# Altium PCB KVision_PCB_V1I1.PcbDoc (part 1 of 2) (continued)
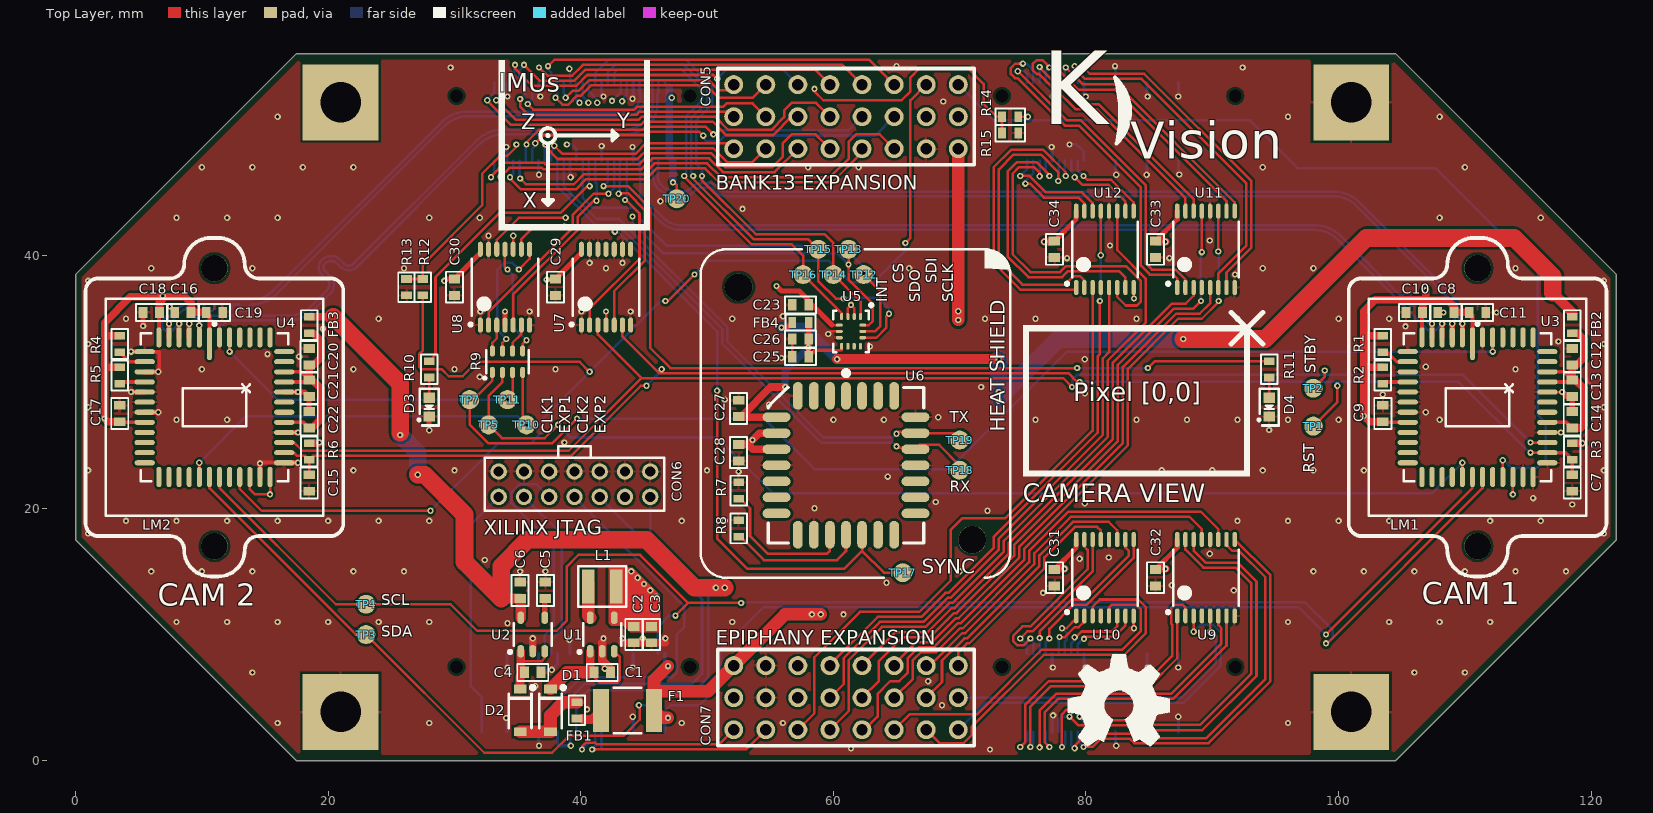
[diagram p0: Top Layer view]
## Footprints (in the part's own frame and the unit in brackets; to place one, negate y for a bottom-side part, rotate by r counter-clockwise, add the part's x,y. Pads: shape width x height; smd on the part's side, far side on the other; paste and mask are expansions set on the pad)
8X3HEADER_2.54MM [mm]
  round 1.5 hole 0.9 paste-1: 1(-8.89,2.54) 2(-8.89,0) 3(-8.89,-2.54) 4(-6.35,2.54) 5(-6.35,0) 6(-6.35,-2.54) 7(-3.81,2.54) 8(-3.81,0) 9(-3.81,-2.54) 10(-1.27,2.54) 11(-1.27,0) 12(-1.27,-2.54) 13(1.27,2.54) 14(1.27,0) 15(1.27,-2.54) 16(3.81,2.54) 17(3.81,0) 18(3.81,-2.54) 19(6.35,2.54) 20(6.35,0) 21(6.35,-2.54) 22(8.89,2.54) 23(8.89,0) 24(8.89,-2.54)
  silkscreen extent -10.16,-3.81 10.16,3.81
BTH-030-01-X-D-A-K [mm]
  rrect100% 0.3x1.448 smd mask+0.05: 1(-7.25,3.09) 2(-7.25,-3.09) 3(-6.75,3.09) 4(-6.75,-3.09) 5(-6.25,3.09) 6(-6.25,-3.09) 7(-5.75,3.09) 8(-5.75,-3.09) 9(-5.25,3.09) 10(-5.25,-3.09) 11(-4.75,3.09) 12(-4.75,-3.09) 13(-4.25,3.09) 14(-4.25,-3.09) 15(-3.75,3.09) 16(-3.75,-3.09) 17(-3.25,3.09) 18(-3.25,-3.09) 19(-2.75,3.09) 20(-2.75,-3.09) 21(-2.25,3.09) 22(-2.25,-3.09) 23(-1.75,3.09) 24(-1.75,-3.09) 25(-1.25,3.09) 26(-1.25,-3.09) 27(-0.75,3.09) 28(-0.75,-3.09) 29(-0.25,3.09) 30(-0.25,-3.09) 31(0.25,3.09) 32(0.25,-3.09) 33(0.75,3.09) 34(0.75,-3.09) 35(1.25,3.09) 36(1.25,-3.09) 37(1.75,3.09) 38(1.75,-3.09) 39(2.25,3.09) 40(2.25,-3.09) 41(2.75,3.09) 42(2.75,-3.09) 43(3.25,3.09) 44(3.25,-3.09) 45(3.75,3.09) 46(3.75,-3.09) 47(4.25,3.09) 48(4.25,-3.09) 49(4.75,3.09) 50(4.75,-3.09) 51(5.25,3.09) 52(5.25,-3.09) 53(5.75,3.09) 54(5.75,-3.09) 55(6.25,3.09) 56(6.25,-3.09) 57(6.75,3.09) 58(6.75,-3.09) 59(7.25,3.09) 60(7.25,-3.09)
  round 0 hole 1.016 unplated mask+0.55: 61(-9.236,2.036) 62(9.236,2.036)
  silkscreen extent -10.1,-3.1 10.1,3.1, body extent -10,-3.59 10,3.59, height 4.26
C0603L [mm]
  rect 0.7x0.9 smd: 1(-0.65,0) 2(0.65,0)
  silkscreen extent -1.22,-0.67 1.22,0.67, body extent -0.8,-0.4 0.8,0.4, height 0.78
CAC-80P319X159-8L [mm] "Chip Array, Concave, 8-Leads, Pitch 0,80mm,  Body 3,20x1,60mm,  IPC High Density"
  oval 0.9x0.4 smd: 1(-0.85,1.2) 2(-0.85,0.4) 3(-0.85,-0.4) 4(-0.85,-1.2) 5(0.85,-1.2) 6(0.85,-0.4) 7(0.85,0.4) 8(0.85,1.2)
  silkscreen extent -1.4,-1.7 0.9,1.9, body extent -0.82,-1.6 0.82,1.6, height 0.64
"CMT821 LENS HOLDER" [mm]
  round 2.1 hole 2.1: 1(0,11) 2(0,-11)
  silkscreen extent -10.2,-13.4 10.2,13.4, body extent -10,-13.3 10,13.3, height 11.21
FUSE_1812 [mm]
  rect 1.3x3.4 smd: 1(-2.1,0) 2(2.1,0)
  silkscreen extent -1.1,-1.8 1.1,1.8, body extent -2.36,-1.74 2.37,1.74, height 1.03
L_SRN3015 [mm] "Inductor SRN3015"
  rect 1x2.7 smd mask+0.05: 1(-1.1,0) 2(1.1,0)
  silkscreen extent -1.9,-1.6 1.9,1.6, body extent -1.51,-1.36 1.51,1.36, height 1.49
LCC-48N_MT9V03X [mm] "LCC, 48-Pins, Body 11,43x11,43mmx2,50mm, Pitch 0,80mm, IPC Medium Density"
  oval 0.4x2.6 smd: 1(-0.4,5.025)
  oval 0.4x1.6 smd: 2(-1.2,5.525) 3(-2,5.525) 4(-2.8,5.525) 5(-3.6,5.525) 6(-4.4,5.525) 19(-4.4,-5.525) 20(-3.6,-5.525) 21(-2.8,-5.525) 22(-2,-5.525) 23(-1.2,-5.525) 24(-0.4,-5.525) 25(0.4,-5.525) 26(1.2,-5.525) 27(2,-5.525) 28(2.8,-5.525) 29(3.6,-5.525) 30(4.4,-5.525) 43(4.4,5.525) 44(3.6,5.525) 45(2.8,5.525) 46(2,5.525) 47(1.2,5.525) 48(0.4,5.525)
  oval 1.6x0.4 smd: 7(-5.525,4.4) 8(-5.525,3.6) 9(-5.525,2.8) 10(-5.525,2) 11(-5.525,1.2) 12(-5.525,0.4) 13(-5.525,-0.4) 14(-5.525,-1.2) 15(-5.525,-2) 16(-5.525,-2.8) 17(-5.525,-3.6) 18(-5.525,-4.4) 31(5.525,-4.4) 32(5.525,-3.6) 33(5.525,-2.8) 34(5.525,-2) 35(5.525,-1.2) 36(5.525,-0.4) 37(5.525,0.4) 38(5.525,1.2) 39(5.525,2) 40(5.525,2.8) 41(5.525,3.6) 42(5.525,4.4)
  silkscreen extent -5.85,-5.85 5.85,6.72, body extent -5.7,-5.72 5.73,5.71, height 1.75
LED0603_GREEN [mm]
  rect 0.8x0.9 smd: 1(-0.75,0) 2(0.75,0)
  silkscreen extent -1.45,-0.75 1.45,0.87, body extent -0.85,-0.45 0.85,0.45, height 0.9
LGA14-N [mm] "3x2.5mm"
  oval 0.55x0.25 smd mask+0.075: 1(-1.175,0.75) 2(-1.175,0.25) 3(-1.175,-0.25) 4(-1.175,-0.75) 8(1.175,-0.75) 9(1.175,-0.25) 10(1.175,0.25) 11(1.175,0.75)
  oval 0.25x0.55 smd mask+0.075: 5(-0.5,-0.925) 6(0,-0.925) 7(0.5,-0.925) 12(0.5,0.925) 13(0,0.925) 14(-0.5,0.925)
  silkscreen extent -2.2,-1.4 1.65,1.73, body extent -1.5,-1.25 1.5,1.25, height 0.86
MTi-1 [mm] "xsens sensor"
  oval 0.76x2.2 smd: 1(0,5.5) 2(-1.27,5.5) 3(-2.54,5.5) 4(-3.81,5.5) 12(-3.81,-5.5) 13(-2.54,-5.5) 14(-1.27,-5.5) 15(0,-5.5) 16(1.27,-5.5) 17(2.54,-5.5) 18(3.81,-5.5) 26(3.81,5.5) 27(2.54,5.5) 28(1.27,5.5)
  oval 2.2x0.76 smd: 5(-5.5,3.81) 6(-5.5,2.54) 7(-5.5,1.27) 8(-5.5,0) 9(-5.5,-1.27) 10(-5.5,-2.54) 11(-5.5,-3.81) 19(5.5,-3.81) 20(5.5,-2.54) 21(5.5,-1.27) 22(5.5,0) 23(5.5,1.27) 24(5.5,2.54) 25(5.5,3.81)
  silkscreen extent -6.15,-6.15 6.15,7.5, body extent -6.05,-6.04 6.05,6.06, height 2.59
R0603L [mm] "Chip Resistor, 2-Leads, Body 1,60x0,82mm, IPC High Density"
  rect 0.6x0.85 smd: 1(-0.65,0) 2(0.65,0)
  silkscreen extent -1.17,-0.65 1.17,0.65, body extent -0.8,-0.4 0.8,0.4, height 0.44
SOD123_DIODE [mm]
  rect 0.7x1 smd: 1(-1.7,0) 2(1.7,0)
  silkscreen extent -1.95,-0.9 1.4,1.15, body extent -1.85,-0.8 1.85,0.8, height 1.27
SOT23-5N [mm] "SOT23, 5-Leads, Body 2,90x2,80mm, Pitch 0,95mm, IPC Medium Density"
  oval 1x0.55 smd: 1(-1.325,0.95) 2(-1.325,0) 3(-1.325,-0.95) 4(1.325,-0.95) 5(1.325,0.95)
  silkscreen extent -1.5,-1.5 0.87,1.92, body extent -1.4,-1.45 1.4,1.45, height 1.45
TestPoint_1.5mm [mm]
  round 1.5 smd paste-2: 1(0,0)
TSSOP14N [mm] "TSOP, 14-Leads, Body 5,00x4,40mm, Pitch 0,65mm, IPC Medium Density"
  oval 1.2x0.4 smd mask+0.07: 1(-3,1.95) 2(-3,1.3) 3(-3,0.65) 4(-3,0) 5(-3,-0.65) 6(-3,-1.3) 7(-3,-1.95) 8(3,-1.95) 9(3,-1.3) 10(3,-0.65) 11(3,0) 12(3,0.65) 13(3,1.3) 14(3,1.95)
  silkscreen extent -3.07,-2.63 2.25,2.85, body extent -3.25,-2.55 3.25,2.55, height 1.2
TSSOP16N [mm] "TSSOP, 16-Leads, Body 4,90x3,90mm, Pitch 0,65mm, IPC Medium Density"
  oval 1.2x0.35 smd mask+0.08: 1(-3.025,2.275) 2(-3.025,1.625) 3(-3.025,0.975) 4(-3.025,0.325) 5(-3.025,-0.325) 6(-3.025,-0.975) 7(-3.025,-1.625) 8(-3.025,-2.275) 9(3.025,-2.275) 10(3.025,-1.625) 11(3.025,-0.975) 12(3.025,-0.325) 13(3.025,0.325) 14(3.025,0.975) 15(3.025,1.625) 16(3.025,2.275)
  silkscreen extent -2.85,-2.6 2.2,3.12, body extent -3.2,-2.5 3.2,2.5, height 1.1
"XILINX JTAG HEADER" [mm] "2x7 2.00mm pitch header"
  round 1.3 hole 0.8: 1(-6,1) 2(-6,-1) 3(-4,1) 4(-4,-1) 5(-2,1) 6(-2,-1) 7(0,1) 8(0,-1) 9(2,1) 10(2,-1) 11(4,1) 12(4,-1) 13(6,1) 14(6,-1)
  silkscreen extent -7.1,-2.1 7.1,3

## Part data
C1 C2 C3 C4 C6 C8 C12 C16 C20 C26: library part GRM188R61C106MA73D, "CAP CER 10UF 16V 20% X5R 0603"
C5: library part C1608C0G1E103J080AA, "CAP CER 10000PF 25V 5% C0G 0603"
C7 C9 C10 C11 C13 C14 C15 C17 C18 C19 C21 C22 C23 C25 C27 C28 C29 C30 C31 C32 C33 C34: library part GRM188R71H104KA93J, "CAP CER 0.1UF 50V 10% X7R 0603"
CON1 CON2 CON3 CON4: "CONN RCPT 60POS 0.5MM SMD"
D1 D2: "DIODE SCHOTTKY 30V 500MA SOD123"
D3 D4: library part LTST-C190KGKT, "LED GREEN CLEAR 0603 SMD"
F1: library part 0ZCG0050AF2C, "PTC RESETTBLE 0.50A 30V CHIP 181"
FB1 FB2 FB3 FB4: library part MPZ1608S601ATA00, "FERRITE CHIP BEAD 600 OHM SMD"
L1: library part SRN3015-4R7M, "FIXED IND 4.7UH 1.4A 136 MOHM"
LM1 LM2: library part "CMT821 LENS MOUNT"
R1 R2 R4 R5 R7 R8 R10 R11 R12 R14: library part CRCW06031K00FKEA, "RES SMD 1K OHM 1% 1/10W 0603"
R3 R6: library part CRCW060310K0FKEA, "RES SMD 10K OHM 1% 1/10W 0603"
R9: library part CAT16-101J4LF, "RES ARRAY 100 OHM 4 RES 1206"
R13 R15: library part CRCW06033K30FKEA, "RES 3.30K OHM 1/10W 1% 0603 SMD"
U1: "IC REG BCK 3.3V 0.5A SYNC TSOT23"
U2: "IC REG LDO 3.3V 0.25A SOT23-5"
U3 U4: "SENSOR IMAGE VGA MONO 48-CLCC"
U5: library part LSM6DS3TR, "IC MOD 3D ACC/GYRO INEMO 14VFLGA"
U6: library part MTi-1
U7 U8: "IC BUFF/DVR NON-INVERT 14TSSOP"
U9 U10 U11 U12: library part DS90LV032ATMTCX/NOPB, "IC LINE RVR 3V QUAD DIFF 16TSSOP"

## Free pads (board coordinates)
  rect 6x6 hole 3.2: ""(20.985,3.871) ""(20.985,52.129) ""(100.995,3.871) ""(100.995,52.129)
  round 2.2 hole 2.2 unplated: ""(52.5,37.5) ""(71,17.5)

## Via types
v1: diameter 0.5, hole 0.25, Top Layer to Bottom Layer, tented both sides, 420 vias

## Nets (pads, with @x,y where several pads share a name; then routed paths per layer and width w, separated by ;. In a path a pad name is that pad's centre, name@x,y a point inside that pad or via, vN(x,y) a via of type N, cw(c..) or ccw(c..) an arc to the next point about the centre after c; other vN are vias at no path point)
+3V3: C2.1 C3.1 C8.1 C9.1 C10.1 C11.1 C16.1 C17.1 C18.1 C19.1 C29.2 C30.2 C31.2 C32.2 C33.2 C34.2 CON5.23 CON7.23 L1.2 R1.2 R2.2 R3.1 R4.2 R5.2 R6.1 U1.4 U3.1 U3.6 U3.14 U3.28 U4.1 U4.6 U4.14 U4.28 U4.30 U7.14 U8.14 U9.16 U10.16 U11.16 U12.16 | length 95
  Top Layer w0.2: U4.28@13.8,22.475 13.8,21.5 14.2,21.1 v1(15.4,21.1) U4.30@15.4,22.475 ; v1(113.8,21.1) U3.28@113.8,22.475
  Top Layer w0.3: C17.1@3.5,26.85 3.55,26.8 U4.14@5.475,26.8 ; U4.6@6.6,33.525 6.6,35.45 C18.1@6.65,35.5 ; C19.1@10.35,35.5 10.6,35.25 U4.1@10.6,33.025 ; C9.1@103.5,26.85 103.55,26.8 U3.14@105.475,26.8 ; U3.6@106.6,33.525 106.6,35.45 C10.1@106.65,35.5 ; C11.1@110.35,35.5 110.6,35.25 U3.1@110.6,33.025
  Top Layer w0.4: v1(29.2,38) 29.35,38.15 C30.2@30,38.15 32.05,40.2 U8.14@32.05,40.5 ; v1(37.3,38.1) 37.95,38.1 C29.2@38,38.15 40.05,40.2 U7.14@40.05,40.5 ; C31.2@77.5,15.15 79.225,16.875 U10.16@79.225,17.525 ; C34.2@77.5,41.15 79.225,42.875 U12.16@79.225,43.525 ; C32.2@85.5,15.15 87.225,16.875 U9.16@87.225,17.525 ; C33.2@85.5,41.15 87.225,42.875 U11.16@87.225,43.525
  Top Layer w0.6: 2.35,31.15 R5.2@3.5,31.15 ; C17.1@3.5,26.85 2.55,26.85 v1(2.3,27.1) 2.3,33.4 ; R4.2@3.5,33.65 2.55,33.65 2.3,33.4 ; C18.1@6.65,35.5 6.65,36.286 v1@7.114,36.75 ; C19.1@10.35,35.5 C16.1@9.15,35.5 9.15,36.25 8.65,36.75 v1@7.114,36.75 ; R6.1@18.5,25.15 19.25,25.15 v1(19.3,25.2) ; v1(76.7,41.1) 77.45,41.1 C34.2@77.5,41.15 ; C31.2@77.55,15.2 v1(78.3,15.2) ; C33.2@85.5,41.15 85.55,41.1 v1(86.3,41.1) ; C32.2@85.55,15.2 v1(86.3,15.2) ; 102.05,31.15 R2.2@103.5,31.15 ; 102.05,33.65 R1.2@103.5,33.65 ; C9.1@103.5,26.85 102.45,26.85 v1(102,27.3) 102,35.6 102.9,36.5 106.9,36.5 v1(106.9,37.25) ; C10.1@106.65,35.5 106.65,36.15 106.95,36.45 108.65,36.45 109.15,35.95 ; C8.1@109.15,35.5 C11.1@110.35,35.5 ; R3.1@118.55,25.15 v1(119.3,25.15) ; 2.3,33.4 2.3,34.7 4.35,36.75 v1@7.114,36.75
  VCC w1: v1(2.3,27.1) 5,27.1 ; 117,25 119.15,25 v1(119.3,25.15)
  other v1: 46,13 45.5,13.5 45,14 44.5,14.5 44,15 6.9,36.8
BPA: C5.1 U2.4 | length 1.5
  Top Layer w0.4: U2.4@37.15,11.325 37.15,12.8 C5.1@37.2,12.85
CAM1_CLK_N: CON1.4 U3.2 | length 72
  Top Layer w0.4: U3.2@109.8,33.525 v1(109.8,34.6)
  Bottom Layer w0.2: CON1.4@46.15,47.515 46.15,46.691 46.085,46.626 46.085,46.275 ccw(c47.075,46.275) 46.375,45.575 ccw(c47.582,46.782) 47.582,45.075 48.134,45.075 ccw(c48.134,45.837) 48.673,45.298 48.788,45.413 cw(c49.589,44.613) 49.589,45.745 50.163,45.745 cw(c50.163,44.863) 50.787,45.487 50.975,45.298 ccw(c51.514,45.837) 51.514,45.075 99.593,45.075 cw(c99.593,42.165) 101.651,44.223 108.718,37.156 cw(c106.66,35.098) 109.57,35.098 109.57,34.975 ccw(c109.92,34.975) 109.673,34.727 v1(109.8,34.6)
CAM1_CLK_P: CON1.6 U3.3 | length 72
  Top Layer w0.4: U3.3@109,33.525 v1(109,34.6)
  Bottom Layer w0.2: CON1.6@45.65,47.515 45.65,46.691 45.715,46.626 45.715,46.275 ccw(c47.075,46.275) 46.113,45.313 ccw(c47.582,46.782) 47.582,44.705 48.134,44.705 ccw(c48.134,45.837) 48.935,45.037 49.05,45.152 cw(c49.589,44.613) 49.589,45.375 50.163,45.375 cw(c50.163,44.863) 50.525,45.225 50.713,45.037 ccw(c51.514,45.837) 51.514,44.705 99.593,44.705 cw(c99.593,42.165) 101.389,43.961 108.456,36.894 cw(c106.66,35.098) 109.2,35.098 109.2,34.975 cw(c108.778,34.975) 109.076,34.676 v1(109,34.6)
CAM1_DATA_N: CON1.8 U3.5 | length 72
  Top Layer w0.4: U3.5@107.4,33.525 v1(107.4,34.6)
  Bottom Layer w0.2: CON1.8@45.15,47.515 45.15,46.783 cw(c44.928,46.783) 45.085,46.626 45.085,45.062 ccw(c46.587,45.062) 45.525,44 46.542,42.983 ccw(c47.95,44.392) 47.95,42.4 98.118,42.4 cw(c98.118,39.49) 100.176,41.548 104.823,36.9 105.1,36.9 105.3,37.1 105.6,37.1 105.725,36.975 105.725,36.725 105.5,36.5 105.5,36.223 105.7,36.023 106.023,36.023 106.175,36.175 106.525,36.175 106.7,36 106.7,35.7 106.523,35.523 106.523,35.2 106.928,34.796 ccw(c107.4,35.268) v1(107.4,34.6)
CAM1_DATA_P: CON1.10 U3.4 | length 72
  Top Layer w0.4: U3.4@108.2,33.525 v1(108.2,34.6)
  Bottom Layer w0.2: CON1.10@44.65,47.515 44.65,46.783 ccw(c44.872,46.783) 44.715,46.626 44.715,45.062 ccw(c46.587,45.062) 45.263,43.738 46.28,42.722 ccw(c47.95,44.392) 47.95,42.03 98.118,42.03 cw(c98.118,39.49) 99.914,41.286 106.597,34.603 cw(c106.469,34.475) 106.628,34.562 ; 106.592,34.598 106.628,34.562 ; v1(108.2,34.6) 107.675,34.075 107.096,34.075 106.652,34.52 106.652,34.538 106.628,34.562
CAM1_EXPOSURE: R9.2 TP5.1 U3.23 | length 86.9
  Top Layer w0.2: R9.2@33.8,30.75 33.8,30 32.7,28.9 TP5.1@32.7,26.6 33.75,25.55 37.15,25.55 v1(38.2,26.6) ; U3.23@109.8,22.475 v1(109.8,23.6)
  Bottom Layer w0.2: v1(38.2,26.6) 39.2,25.6 50.8,25.6 55.2,21.2 107.4,21.2 v1(109.8,23.6)
CAM1_INT: CON1.27 R14.2 R15.2 | length 46.1
  Top Layer w0.2: v1(58.5,53.2) 58.5,53 59.2,52.3 65.4,52.3 66.1,53 66.1,54.1 66.8,54.8 70.7,54.8 71.9,53.6 71.9,52 72.9,51 R14.2@73.35,51 R15.2@73.35,49.5
  VCC w0.2: v1(40.6,52.1) 40.6,52.022 40.128,51.55 39.672,51.55 39.35,51.872 39.35,52.328 41.722,54.7 57.8,54.7 58.5,54 v1(58.5,53.2)
  Bottom Layer w0.2: CON1.27@40.15,53.695 40.15,52.628 40.6,52.178 v1(40.6,52.1)
CAM1_LED_OUT: CON5.22 R14.1 U3.27 | length 73.5
  Top Layer w0.2: R14.1@74.65,51 v1(75.4,51) ; U3.27@113,22.475 v1(113,23.8)
  Bottom Layer w0.2: CON5.22@69.89,53.54 72.73,50.7 75.4,50.7 ; v1(75.4,51) 75.4,50.7 ; v1(113,23.8) 113.1,23.8 113.7,23.2 115.7,23.2 116.4,23.9 116.4,26.75 115.75,27.4 115.75,38.85 107.7,46.9 96.8,46.9 93,50.7 75.4,50.7
CAM1_SYSCLK: R9.1 TP7.1 U3.47 | length 94.5
  Top Layer w0.2: TP7.1@31.2,28.9 TP7.1@31.2,28.6 TP7.1@31.2,28.4 ; R9.1@33,30.75 33,30.1 31.3,28.4 TP7.1@31.2,28.4 ; v1(39.7,27.1) 37.75,25.15 32.665,25.15 31.2,26.615 TP7.1@31.2,28.4 ; v1(112.2,32.4) U3.47@112.2,33.525
  Bottom Layer w0.2: v1(39.7,27.1) 54.5,27.1 58.5,23.1 69.2,23.1 78.5,32.4 v1(112.2,32.4)
CAM1_VAA: C12.1 C13.1 C14.1 FB2.2 U3.35 U3.39 U3.40 | length 15.9
  Top Layer w0.3: U3.35@116.525,26.8 118.05,26.8 C14.1@118.5,26.35 ; U3.39@116.525,30 118.35,30 C13.1@118.5,30.15 117.85,30.8 U3.40@116.525,30.8
  Top Layer w0.6: C14.1@118.5,26.35 119.15,26.35 119.45,26.65 119.45,29.45 C13.1@118.75,30.15 ; C13.1@118.5,30.15 C12.1@118.5,31.35 ; FB2.2@118.5,33.85 118.95,33.85 119.45,33.35 119.45,31.95 C12.1@118.85,31.35
CAM2_CLK_N: CON1.3 U4.2 | length 49.4
  Top Layer w0.4: U4.2@9.8,33.525 v1(9.8,34.475)
  Bottom Layer w0.2: v1(9.8,34.475) 9.8,34.6 cw(c10.464,33.936) 10.464,34.875 10.9,34.875 11.1,34.675 ; 11.1,34.67 11.3,34.47 11.615,34.47 12.012,34.868 16.843,34.868 ; 16.843,34.875 ccw(c16.843,37.785) 18.901,35.727 20.167,36.994 ccw(c19.436,37.725) 20.47,37.725 ccw(c19.677,37.725) 20.238,38.285 19.75,38.773 cw(c20.052,39.075) 19.625,39.075 cw(c20.047,39.075) 19.749,39.374 19.825,39.45 cw(c20.127,39.148) 20.127,39.575 20.323,39.575 cw(c20.323,39.148) 20.625,39.45 20.941,39.134 ccw(c21.675,39.868) 21.675,38.83 ccw(c21.675,39.622) 22.235,39.062 ; 22.235,39.062 32.029,48.856 cw(c33.825,47.06) 33.825,49.6 43.413,49.6 ccw(c43.413,52.462) 45.437,50.438 ccw(c43.908,51.967) 46.07,51.967 46.07,52.791 ccw(c45.877,52.984) 46.15,52.984 CON1.3@46.15,53.695
CAM2_CLK_P: CON1.5 U4.3 | length 49.4
  Top Layer w0.4: U4.3@9,33.525 v1(9,34.6)
  Bottom Layer w0.2: v1(9,34.6) cw(c10.557,33.043) 10.557,35.245 16.843,35.245 ccw(c16.843,37.785) 18.639,35.989 18.875,36.225 19.906,37.256 ccw(c19.436,37.725) 20.1,37.725 ccw(c19.677,37.725) 19.976,38.024 19.488,38.512 cw(c20.052,39.075) 19.255,39.075 cw(c20.047,39.075) 19.487,39.635 19.563,39.712 cw(c20.127,39.148) 20.127,39.945 20.323,39.945 cw(c20.323,39.148) 20.887,39.712 21.203,39.396 ccw(c21.675,39.868) 21.675,39.2 ccw(c21.675,39.622) 21.974,39.324 ; 21.974,39.324 31.768,49.118 cw(c33.825,47.06) 33.825,49.97 43.413,49.97 ccw(c43.413,52.462) 45.175,50.7 ccw(c43.908,51.967) 45.7,51.967 45.7,52.75 ccw(c45.529,52.75) 45.65,52.871 CON1.5@45.65,53.695
CAM2_DATA_N: CON1.7 U4.5 | length 49.4
  Top Layer w0.4: U4.5@7.4,33.525 v1(7.4,34.6)
  Bottom Layer w0.2: v1(7.4,34.6) 8.211,35.411 cw(c10.007,33.615) 10.007,36.155 10.07,36.155 10.2,36.025 10.2,35.775 10.333,35.642 10.842,35.642 10.975,35.775 10.975,36.025 11.105,36.155 11.465,36.155 11.6,36.02 11.6,35.775 11.733,35.642 12.217,35.642 12.375,35.8 12.375,36.025 12.505,36.155 12.9,36.155 13.025,36.03 13.025,35.75 13.133,35.642 13.667,35.642 13.796,35.771 13.796,36.011 13.94,36.155 13.996,36.155 ccw(c13.996,38.831) 15.889,36.939 27.2,48.25 29.236,50.286 cw(c31.032,48.49) 31.032,51.03 43.48,51.03 ccw(c43.48,52.595) 44.587,51.488 44.651,51.553 ccw(c43.604,52.6) 45.085,52.6 45.085,52.806 ccw(c44.928,52.963) 45.15,52.963 CON1.7@45.15,53.695
CAM2_DATA_P: CON1.9 U4.4 | length 49.4
  Top Layer w0.4: U4.4@8.2,33.525 v1(8.2,34.6)
  Bottom Layer w0.2: v1(8.2,34.6) 7.751,34.151 cw(c7.387,34.514) 7.387,34 cw(c7.387,34.512) 7.025,34.15 cw(c7.447,34.572) 6.85,34.572 6.85,34.59 cw(c7.537,34.59) 7.051,35.076 cw(c7.35,34.778) 7.35,35.2 ccw(c7.35,35.506) 7.566,35.289 7.949,35.673 cw(c10.007,33.615) 10.007,36.525 13.9,36.525 ccw(c13.9,39.065) 15.696,37.269 ; 15.664,37.238 15.696,37.269 ; CON1.9@44.65,53.695 44.65,52.963 ccw(c44.872,52.963) 44.715,52.806 44.715,52.6 cw(c43.604,52.6) 44.39,51.815 44.325,51.75 cw(c43.48,52.595) 43.48,51.4 31.032,51.4 ccw(c31.032,48.49) 28.974,50.548 15.696,37.269
CAM2_EXPOSURE: R9.4 TP10.1 U4.23 | length 33.6
  Top Layer w0.2: U4.23@9.8,22.475 v1(9.8,23.6) ; TP10.1@35.4,26.4 TP10.1@35.4,26.9 ; R9.4@35.4,30.75 TP10.1@35.4,26.9 ; v1(35.7,26.6) TP10.1@35.4,26.9
  Bottom Layer w0.2: v1(9.8,23.6) 13.5,27.3 35,27.3 v1(35.7,26.6)
CAM2_INT: CON1.30 R12.2 R13.2 | length 21.9
  Top Layer w0.2: R13.2@26,38.15 R13.2@26.2,38.15 R12.2@27.5,38.15 27.5,39.3 32.2,44 32.2,46.5 33.6,47.9 34.178,47.9 34.9,48.622 v1(34.9,48.8)
  VCC w0.2: v1(34.9,48.8) 35.55,48.15 38.25,48.15 v1(38.9,48.8)
  Bottom Layer w0.2: v1(38.9,48.8) 39.3,48.8 39.65,48.45 CON1.30@39.65,47.515
CAM2_LED_OUT: CON5.19 R12.1 U4.27 | length 99.1
  Top Layer w0.2: U4.27@13,22.475 13,21.534 14.734,19.8 v1(28.1,19.8) ; R12.1@27.5,36.85 27.5,32.5 27.2,32.2 27.2,31.2 27.4,31 29,31 29.55,30.45 30.65,30.45 31.8,31.6 39.9,31.6 v1(40.7,30.8) ; v1(46.7,36.4) 46.9,36.4 v1(49,38.5) ; v1(65.7,41) 66.1,41.4 66.1,52.29 CON5.19@67.35,53.54
  Bottom Layer w0.2: v1(28.1,19.8) 33.4,25.1 36,25.1 36.9,26 36.9,27 46.3,36.4 v1(46.7,36.4) ; v1(49,38.5) 50.1,39.6 59.6,39.6 61.3,37.9 63.2,37.9 65.7,40.4 v1(65.7,41)
CAM2_SYSCLK: R9.3 TP11.1 U4.47 | length 27.5
  Top Layer w0.2: v1(12.2,32.4) U4.47@12.2,33.525 ; v1(34.2,28.6) TP11.1@34.6,29 ; TP11.1@34.6,28.5 R9.3@34.6,30.75
  Bottom Layer w0.2: v1(12.2,32.4) 16,28.6 v1(34.2,28.6)
CAM2_VAA: C20.1 C21.1 C22.1 FB3.2 U4.35 U4.39 U4.40 | length 16.2
  Top Layer w0.3: U4.35@16.525,26.8 18.05,26.8 C22.1@18.5,26.35 ; U4.39@16.525,30 18.35,30 C21.1@18.5,30.15 17.85,30.8 U4.40@16.525,30.8
  Top Layer w0.6: C22.1@18.5,26.35 18.707,26.35 19.45,27.093 19.45,29.45 18.75,30.15 C21.1@18.5,30.15 C20.1@18.5,31.35 18.85,31.35 19.45,31.95 19.45,33.207 18.807,33.85 FB3.2@18.5,33.85
CAM_RESET#: C7.1 C15.1 R3.2 R6.2 TP1.1 U3.32 U4.32 U7.6 | length 120.3
  Top Layer w0.2: U4.32@16.525,24.4 17.3,24.4 17.55,24.15 18.2,24.15 R6.2@18.5,23.85 ; C15.1@18.5,22.65 R6.2@18.5,23.85 ; U7.6@43.3,34.5 43.3,33.6 46.2,30.7 ; v1(45.2,29.7) 44.766,29.7 39.216,24.15 18.8,24.15 R6.2@18.5,23.85 ; v1(46.4,31) 46.2,30.8 46.2,30.7 ; v1(79.5,30) 79.3,30 78.6,30.7 46.2,30.7 ; TP1.1@98,26.5 99.9,28.4 v1(99.9,29.7) ; v1(115.2,24.4) U3.32@116.525,24.4
  Top Layer w0.3: U3.32@116.525,24.4 117.95,24.4 R3.2@118.5,23.85 C7.1@118.5,22.65
  Bottom Layer w0.2: v1(45.2,29.7) 46.4,30.9 v1(46.4,31) ; v1(79.5,30) 99.9,30 ; v1(99.9,29.7) 99.9,30 ; v1(115.2,24.4) 115.1,24.4 109.5,30 99.9,30
CAM_STANDBY: TP2.1 U3.33 U4.33 U7.3 | length 113.6
  Top Layer w0.2: U4.33@16.525,25.2 17.3,25.2 17.95,24.55 39.05,24.55 44.8,30.3 ; U7.3@41.35,34.5 41.35,33.75 44.8,30.3 ; v1(78.9,29.6) 78.2,30.3 44.8,30.3 ; TP2.1@98,29.5 98.9,30.4 v1(98.9,30.9) ; v1(115.2,25.2) U3.33@116.525,25.2
  Bottom Layer w0.2: v1(78.9,29.6) 78.9,30.178 79.272,30.55 98.9,30.55 ; v1(98.9,30.9) 98.9,30.55 ; v1(115.2,25.2) 109.85,30.55 98.9,30.55
CFG_SCLK: CON2.3 TP4.1 U3.25 U4.25 | length 126.5
  Top Layer w0.2: U4.25@11.4,22.475 11.4,21.6 20.6,12.4 22.4,12.4 TP4.1@23,13 ; TP4.1@23,12.4 29.7,12.4 31.8,10.3 38.1,10.3 38.9,11.1 38.9,15.4 39.8,16.3 44.7,16.3 48.5,12.5 ; v1(47.5,11.5) 48.5,12.5 ; v1(52.7,12.5) 48.5,12.5 ; v1(99,9.3) 99.1,9.3 111.4,21.6 U3.25@111.4,22.475
  Bottom Layer w0.2: CON2.3@46.15,8.485 46.1,8.535 46.1,10.6 47,11.5 v1(47.5,11.5) ; v1(52.7,12.5) 52.75,12.55 97.35,12.55 99.55,10.35 99.55,9.772 99.078,9.3 v1(99,9.3)
CFG_SDA: CON2.4 TP3.1 U3.24 U4.24 | length 125.2
  Top Layer w0.2: U4.24@10.6,22.475 10.6,21.6 22.2,10 TP3.1@23,10 32.36,0.64 37.74,0.64 39.1,2 43.408,2 44.67,3.262 44.67,4.33 v1(44.6,4.4) ; v1(99,10) 110.6,21.6 U3.24@110.6,22.475
  Bottom Layer w0.2: v1(44.6,4.4) 45.178,4.4 46.15,3.428 ; CON2.4@46.15,2.305 46.15,3.428 ; v1(99,10) 96.85,12.15 54.45,12.15 51.06,8.76 51.06,6.06 49.4,4.4 47.122,4.4 46.15,3.428
EPI_IO_1: CON7.1 U9.3 | length 29.4
  Top Layer w0.2: v1(88.525,10.225) U9.3@88.525,11.475
  Bottom Layer w0.2: CON7.1@69.89,2.46 72.03,4.6 87.721,4.6 90.68,7.559 90.68,10.148 90.053,10.775 89.075,10.775 v1(88.525,10.225)
EPI_IO_2: CON7.2 U9.5 | length 25.5
  Top Layer w0.2: v1(89.825,10.225) U9.5@89.825,11.475
  Bottom Layer w0.2: CON7.2@69.89,5 87.555,5 90.28,7.725 90.28,9.77 v1(89.825,10.225)
EPI_IO_3: CON7.3 U10.13 | length 17.8
  Top Layer w0.2: CON7.3@69.89,7.54 69.89,8.624 70.566,9.3 70.757,9.3 76.703,15.246 76.703,16.1 79.128,18.525 80.875,18.525 81.175,18.225 U10.13@81.175,17.525
EPI_IO_4: CON7.4 U10.3 | length 29.3
  Top Layer w0.2: CON7.4@67.35,2.46 68.4,1.41 70.325,1.41 70.94,2.025 70.94,2.674 76.666,8.4 83.043,8.4 84.75,10.106 84.75,12.162 84.137,12.775 81.1,12.775 80.525,12.2 U10.3@80.525,11.475
EPI_IO_5: CON7.5 U10.11 | length 23.4
  Top Layer w0.2: CON7.5@67.35,5 68.6,6.25 68.6,7.934 70.366,9.7 70.591,9.7 76.303,15.412 76.303,16.266 78.963,18.925 81.8,18.925 82.475,18.25 U10.11@82.475,17.525
EPI_IO_6: CON7.6 U9.13 | length 28.4
  Top Layer w0.2: CON7.6@67.35,7.54 67.64,7.54 70.2,10.1 70.425,10.1 75.903,15.578 75.903,16.431 78.797,19.325 88.189,19.325 89.175,18.338 U9.13@89.175,17.525
EPI_IO_7: CON7.7 U10.5 | length 27.9
  Top Layer w0.2: CON7.7@64.81,2.46 66.05,3.7 71.4,3.7 76.5,8.8 82.878,8.8 84.35,10.272 84.35,11.997 83.972,12.375 82.075,12.375 81.825,12.125 U10.5@81.825,11.475
EPI_IO_8: CON7.8 U9.11 | length 34.5
  Top Layer w0.2: CON7.8@64.81,5 66.3,6.49 66.3,7.975 66.925,8.6 68.134,8.6 70.034,10.5 70.26,10.5 75.503,15.743 75.503,16.597 78.631,19.725 89.089,19.725 90.475,18.338 U9.11@90.475,17.525
EPI_IO_9: CON7.9 U11.5 | length 42.2
  Top Layer w0.2: CON7.9@64.81,7.54 64.81,7.616 66.594,9.4 67.803,9.4 69.703,11.3 69.928,11.3 74.703,16.075 74.703,16.928 82.925,25.15 82.925,31.197 87.128,35.4 89,35.4 89.825,36.225 U11.5@89.825,37.475
EPI_IO_10: CON7.10 U11.11 | length 55.2
  Top Layer w0.2: CON7.10@62.27,2.46 62.46,2.46 63.5,3.5 63.5,5.3 64.5,6.3 65.2,6.3 65.9,7 65.9,8.141 66.759,9 67.969,9 69.869,10.9 70.094,10.9 75.103,15.909 75.103,16.763 83.325,24.984 83.325,31.031 87.294,35 89.166,35 90.5,36.334 v1(90.5,36.4) ; v1(90.475,40.325) U11.11@90.475,43.525
  Bottom Layer w0.2: v1(90.475,40.325) 90.5,40.3 v1(90.5,36.4)
EPI_IO_11: CON7.11 U11.13 | length 52
  Top Layer w0.2: CON7.11@62.27,5 63.6,6.33 63.6,7.9 65.5,9.8 67.637,9.8 69.537,11.7 69.763,11.7 74.303,16.241 74.303,17.094 82.525,25.316 82.525,31.362 86.963,35.8 88.5,35.8 v1(89.1,36.4) ; v1(89.175,40.275) U11.13@89.175,43.525
  Bottom Layer w0.2: v1(89.1,36.4) 89.1,40.2 v1(89.175,40.275)
EPI_IO_12: CON7.12 U11.3 | length 43.1
  Top Layer w0.2: CON7.12@62.27,7.54 64.93,10.2 67.472,10.2 69.372,12.1 69.597,12.1 73.903,16.406 73.903,17.26 82.125,25.482 82.125,31.528 86.797,36.2 87.9,36.2 88.525,36.825 U11.3@88.525,37.475
EPI_IO_13: CON7.16 U12.3 | length 49.4
  Top Layer w0.2: CON7.16@57.19,2.46 58.5,3.77 58.5,8.2 62.1,11.8 66.8,11.8 69.3,14.3 69.3,18.3 70.2,19.2 73.581,19.2 80.525,26.144 U12.3@80.525,37.475
EPI_IO_14: CON7.15 U12.13 | length 47.4
  Top Layer w0.2: CON7.15@59.73,7.54 59.73,7.616 63.514,11.4 66.975,11.4 68.875,13.3 69.1,13.3 72.703,16.903 72.703,17.757 80.925,25.979 80.925,32.025 81.1,32.2 v1(81.1,36.4) ; v1(81.175,40.025) U12.13@81.175,43.525
  Bottom Layer w0.2: v1(81.1,36.4) 81.1,36.3 81.175,36.225 v1(81.175,40.025)
EPI_IO_15: CON7.14 U12.5 | length 43.8
  Top Layer w0.2: CON7.14@59.73,5 60.82,6.09 60.82,8.141 63.679,11 67.14,11 69.04,12.9 69.266,12.9 73.103,16.738 73.103,17.591 81.325,25.813 81.325,31.859 81.825,32.359 U12.5@81.825,37.475
EPI_IO_16: CON7.13 U12.11 | length 54.5
  Top Layer w0.2: CON7.13@59.73,2.46 61.22,3.95 61.22,7.975 63.845,10.6 67.306,10.6 69.206,12.5 69.431,12.5 73.503,16.572 73.503,17.425 81.725,25.647 81.725,31.694 84.75,34.719 84.75,38.162 82.475,40.437 U12.11@82.475,43.525